# KiCad board GNSS_breakout_L86-M33.kicad_pcb (continued)
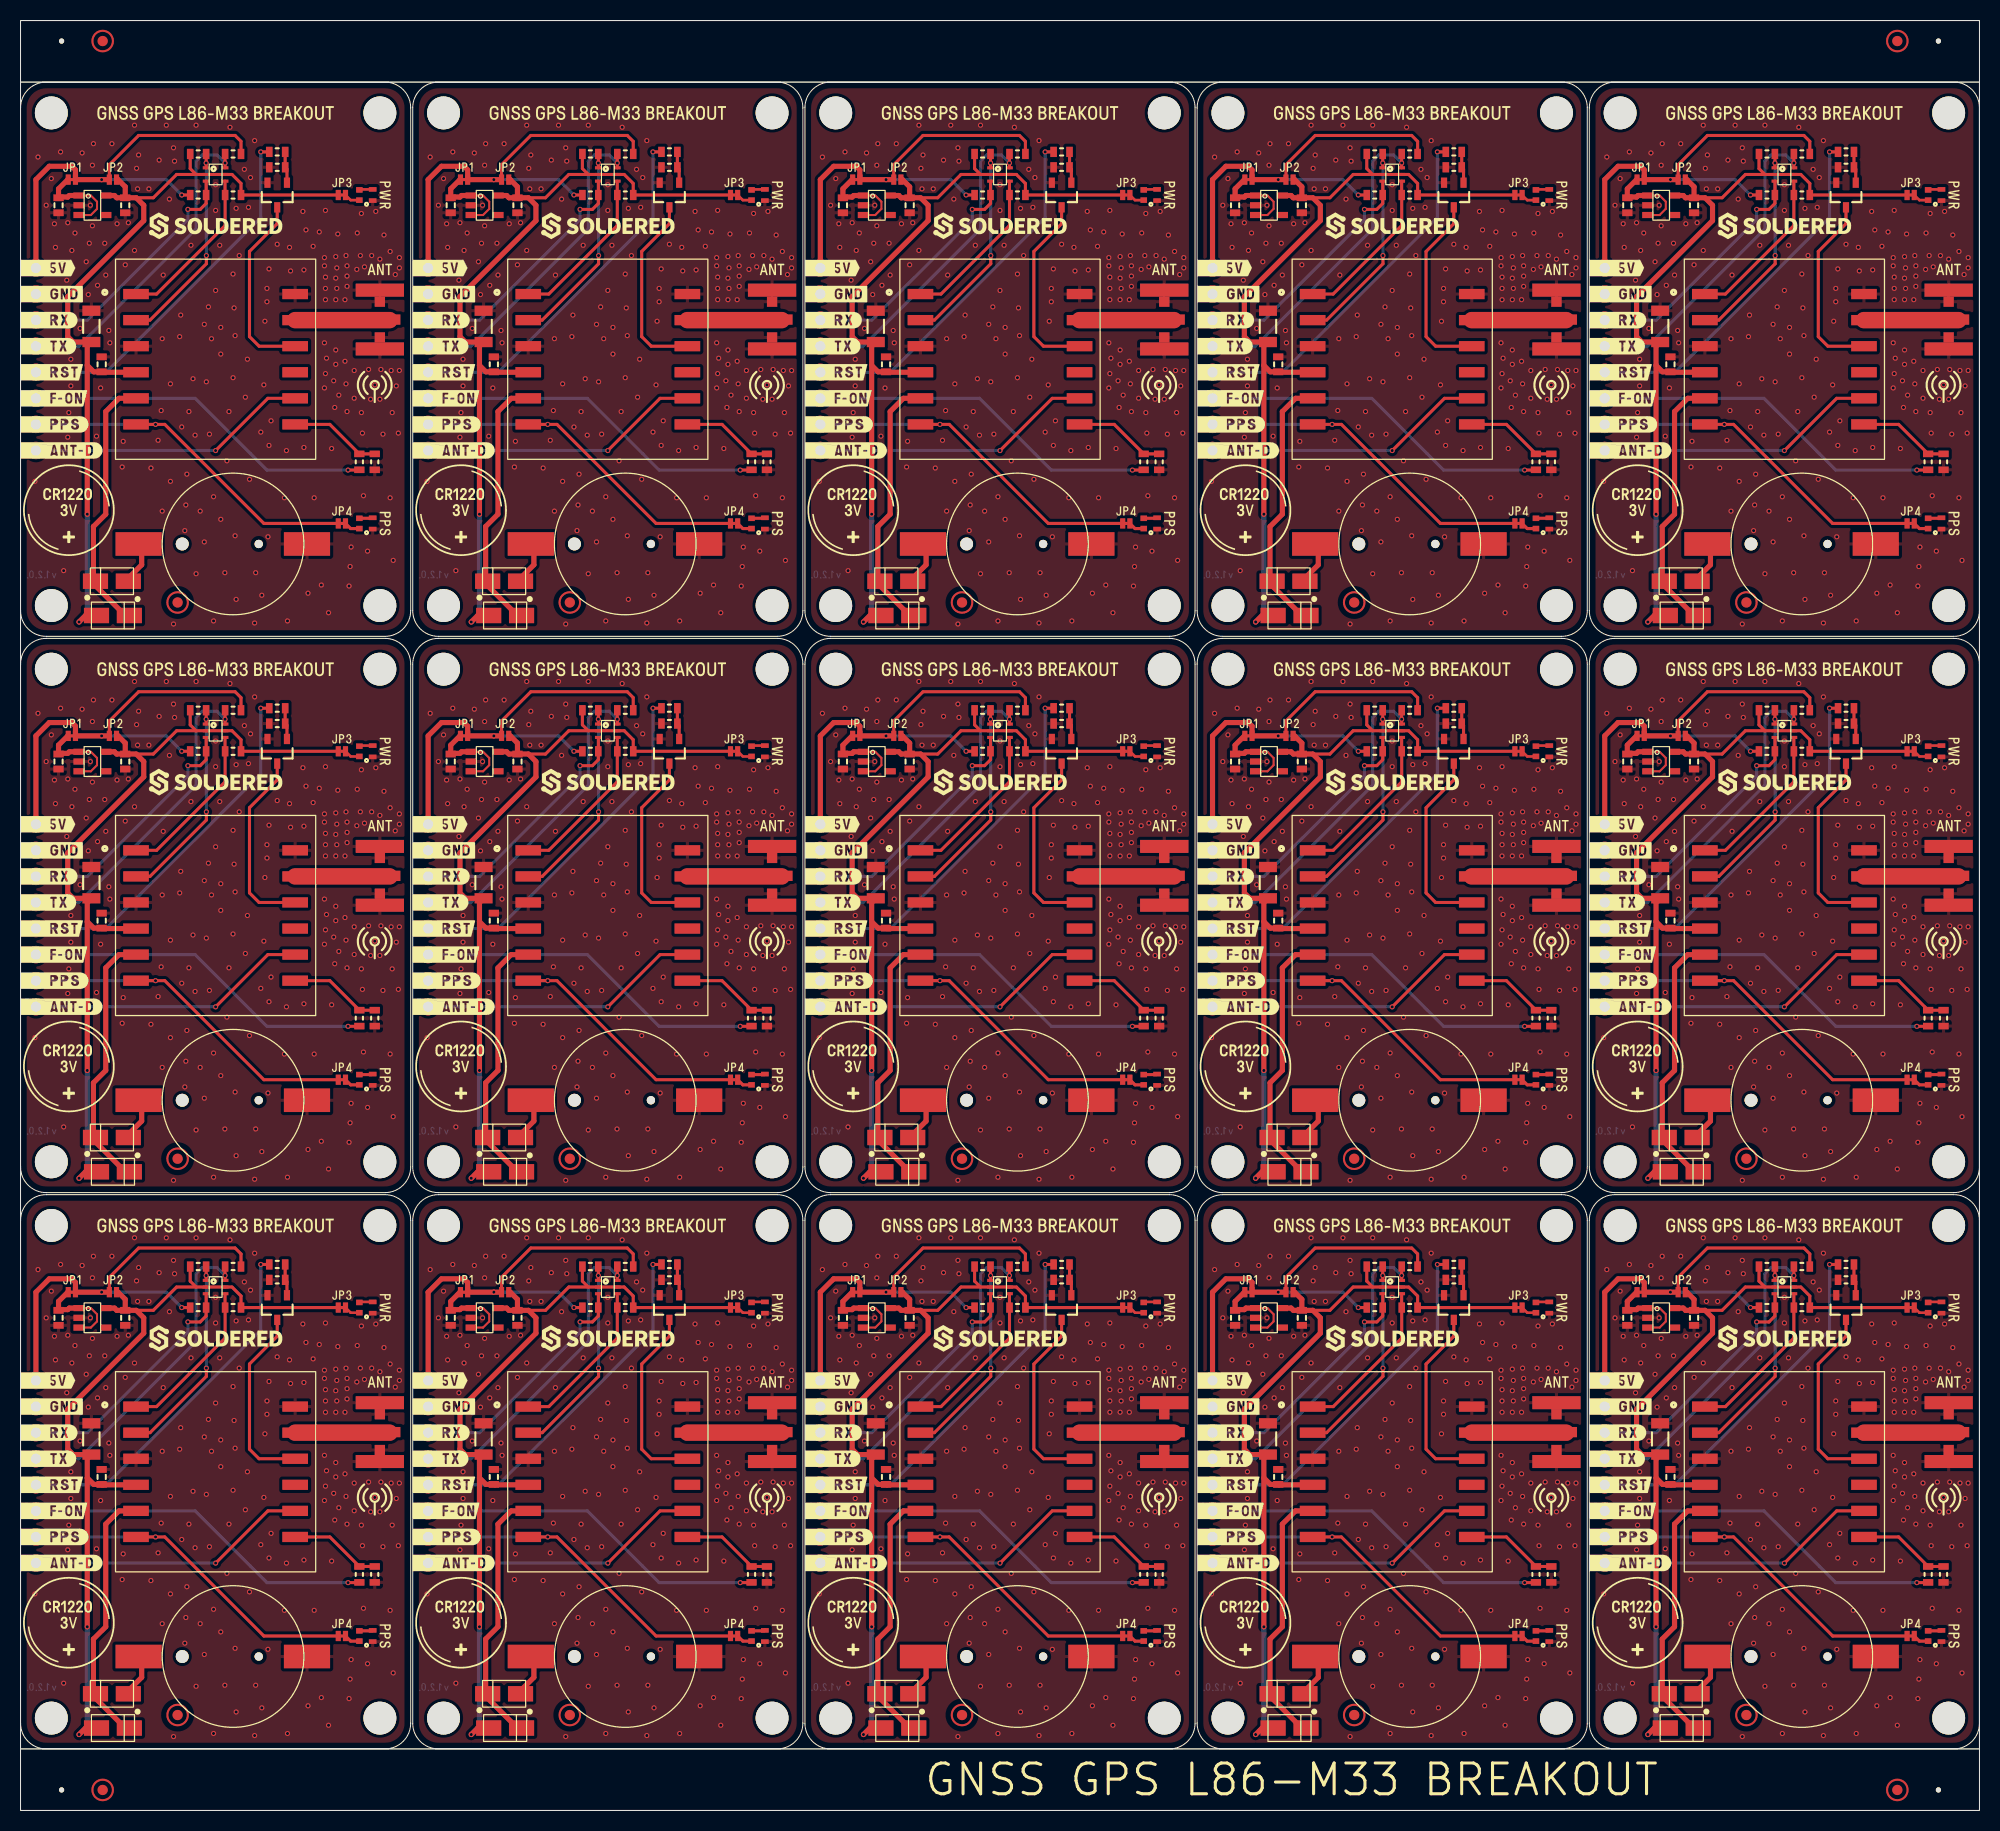
[diagram p0: board, top side]
## Placement (name value [footprint] x y rotation side) (continued)
K3#15  -  [HEADER_MALE_8X1]  116.1 141.4 90 top
kibuzzard-62FB46FA  G***  [kibuzzard-62FB46FA]  187.8 150.15 0 top
kibuzzard-62FB46FA#2  G***  [kibuzzard-62FB46FA]  111.4 95.95 0 top
kibuzzard-62FB46FA#3  G***  [kibuzzard-62FB46FA]  35 150.15 0 top
kibuzzard-62FB46FA#4  G***  [kibuzzard-62FB46FA]  35 41.75 0 top
kibuzzard-62FB46FA#5  G***  [kibuzzard-62FB46FA]  149.6 41.75 0 top
kibuzzard-62FB46FA#6  G***  [kibuzzard-62FB46FA]  187.8 41.75 0 top
kibuzzard-62FB46FA#7  G***  [kibuzzard-62FB46FA]  111.4 41.75 0 top
kibuzzard-62FB46FA#8  G***  [kibuzzard-62FB46FA]  187.8 95.95 0 top
kibuzzard-62FB46FA#9  G***  [kibuzzard-62FB46FA]  149.6 150.15 0 top
kibuzzard-62FB46FA#10  G***  [kibuzzard-62FB46FA]  73.2 41.75 0 top
kibuzzard-62FB46FA#11  G***  [kibuzzard-62FB46FA]  35 95.95 0 top
kibuzzard-62FB46FA#12  G***  [kibuzzard-62FB46FA]  73.2 150.15 0 top
kibuzzard-62FB46FA#13  G***  [kibuzzard-62FB46FA]  73.2 95.95 0 top
kibuzzard-62FB46FA#14  G***  [kibuzzard-62FB46FA]  111.4 150.15 0 top
kibuzzard-62FB46FA#15  G***  [kibuzzard-62FB46FA]  149.6 95.95 0 top
kibuzzard-6391DAF4  G***  [kibuzzard-6391DAF4]  171.8 57 0 top
kibuzzard-6391DAF4#2  G***  [kibuzzard-6391DAF4]  57.2 111.2 0 top
kibuzzard-6391DAF4#3  G***  [kibuzzard-6391DAF4]  57.2 57 0 top
kibuzzard-6391DAF4#4  G***  [kibuzzard-6391DAF4]  19 165.4 0 top
kibuzzard-6391DAF4#5  G***  [kibuzzard-6391DAF4]  19 57 0 top
kibuzzard-6391DAF4#6  G***  [kibuzzard-6391DAF4]  133.6 165.4 0 top
kibuzzard-6391DAF4#7  G***  [kibuzzard-6391DAF4]  171.8 111.2 0 top
kibuzzard-6391DAF4#8  G***  [kibuzzard-6391DAF4]  19 111.2 0 top
kibuzzard-6391DAF4#9  G***  [kibuzzard-6391DAF4]  133.6 111.2 0 top
kibuzzard-6391DAF4#10  G***  [kibuzzard-6391DAF4]  171.8 165.4 0 top
kibuzzard-6391DAF4#11  G***  [kibuzzard-6391DAF4]  95.4 57 0 top
kibuzzard-6391DAF4#12  G***  [kibuzzard-6391DAF4]  95.4 165.4 0 top
kibuzzard-6391DAF4#13  G***  [kibuzzard-6391DAF4]  133.6 57 0 top
kibuzzard-6391DAF4#14  G***  [kibuzzard-6391DAF4]  57.2 165.4 0 top
kibuzzard-6391DAF4#15  G***  [kibuzzard-6391DAF4]  95.4 111.2 0 top
NOREF  -  [buzzardLabel]  73.7 71.2 270 top
NOREF#2  -  [buzzardLabel]  9 105.9 0 top
NOREF#3  -  [buzzardLabel]  76 135.05 0 top
NOREF#4  -  [buzzardLabel]  -0.4 140.13 0 top
NOREF#5  -  [buzzardLabel]  9 160.1 0 top
NOREF#6  -  [buzzardLabel]  -0.4 142.67 0 top
NOREF#7  -  [buzzardLabel]  -0.4 80.85 0 top
NOREF#8  -  [buzzardLabel]  -0.4 132.51 0 top
NOREF#9  -  [buzzardLabel]  76 39.35 0 top
NOREF#10  -  [buzzardLabel]  150.1 49 270 top
NOREF#11  -  [buzzardLabel]  114.2 36.81 0 top
NOREF#12  -  [buzzardLabel]  69.5 104.4 0 top
NOREF#13  -  [buzzardLabel]  -0.4 85.93 0 top
NOREF#14  -  [buzzardLabel]  76 147.75 0 top
NOREF#15  -  [buzzardLabel]  111.9 71.2 270 top
NOREF#16  -  [buzzardLabel]  35.5 125.4 270 top
NOREF#17  -  [buzzardLabel]  -0.4 135.05 0 top
NOREF#18  -  [buzzardLabel]  76 140.13 0 top
NOREF#19  -  [buzzardLabel]  114.2 145.21 0 top
NOREF#20  -  [buzzardLabel]  35.5 49 270 top
NOREF#21  -  [buzzardLabel]  37.8 78.31 0 top
NOREF#22  -  [buzzardLabel]  76 26.65 0 top
NOREF#23  -  [buzzardLabel]  37.8 93.55 0 top
NOREF#24  -  [buzzardLabel]  43.2 160.1 0 top
NOREF#25  -  [buzzardLabel]  188.3 125.4 270 top
NOREF#26  -  [buzzardLabel]  184.1 18.2 0 top
NOREF#27  -  [buzzardLabel]  150.1 157.4 270 top
NOREF#28  -  [buzzardLabel]  111.9 157.4 270 top
NOREF#29  -  [buzzardLabel]  35.5 71.2 270 top
NOREF#30  -  [buzzardLabel]  145.9 50.2 0 top
NOREF#31  -  [buzzardLabel]  43.2 51.7 0 top
NOREF#32  -  [buzzardLabel]  35.5 17 270 top
NOREF#33  -  [buzzardLabel]  85.4 51.7 0 top
NOREF#34  -  [buzzardLabel]  5 105.9 0 top
NOREF#35  -  [buzzardLabel]  114.2 31.73 0 top
NOREF#36  -  [buzzardLabel]  76 36.81 0 top
NOREF#37  -  [buzzardLabel]  76 80.85 0 top
NOREF#38  -  [buzzardLabel]  184.1 104.4 0 top
NOREF#39  -  [buzzardLabel]  152.4 137.59 0 top
NOREF#40  -  [buzzardLabel]  -0.4 24.11 0 top
NOREF#41  -  [buzzardLabel]  119.6 51.7 0 top
NOREF#42  -  [buzzardLabel]  37.8 91.01 0 top
NOREF#43  -  [buzzardLabel]  76 78.31 0 top
NOREF#44  -  [buzzardLabel]  114.2 39.35 0 top
NOREF#45  -  [buzzardLabel]  -0.4 78.31 0 top
NOREF#46  -  [buzzardLabel]  81.4 51.7 0 top
NOREF#47  -  [buzzardLabel]  73.7 49 270 top
NOREF#48  -  [buzzardLabel]  114.2 24.11 0 top
NOREF#49  -  [buzzardLabel]  37.8 145.21 0 top
NOREF#50  -  [buzzardLabel]  37.8 147.75 0 top
NOREF#51  -  [buzzardLabel]  -0.4 137.59 0 top
NOREF#52  -  [buzzardLabel]  152.4 142.67 0 top
NOREF#53  -  [buzzardLabel]  114.2 80.85 0 top
NOREF#54  -  [buzzardLabel]  123.6 105.9 0 top
NOREF#55  -  [buzzardLabel]  47.2 105.9 0 top
NOREF#56  -  [buzzardLabel]  161.8 51.7 0 top
NOREF#57  -  [buzzardLabel]  114.2 135.05 0 top
NOREF#58  -  [buzzardLabel]  76 91.01 0 top
NOREF#59  -  [buzzardLabel]  76 34.27 0 top
NOREF#60  -  [buzzardLabel]  152.4 80.85 0 top
NOREF#61  -  [buzzardLabel]  152.4 24.11 0 top
NOREF#62  -  [buzzardLabel]  5 51.7 0 top
NOREF#63  -  [buzzardLabel]  152.4 41.89 0 top
NOREF#64  -  [buzzardLabel]  150.1 71.2 270 top
NOREF#65  -  [buzzardLabel]  47.2 51.7 0 top
NOREF#66  -  [buzzardLabel]  114.2 96.09 0 top
NOREF#67  -  [buzzardLabel]  43.2 105.9 0 top
NOREF#68  -  [buzzardLabel]  145.9 104.4 0 top
NOREF#69  -  [buzzardLabel]  152.4 29.19 0 top
NOREF#70  -  [buzzardLabel]  152.4 140.13 0 top
NOREF#71  -  [buzzardLabel]  152.4 83.39 0 top
NOREF#72  -  [buzzardLabel]  157.8 105.9 0 top
NOREF#73  -  [buzzardLabel]  114.2 34.27 0 top
NOREF#74  -  [buzzardLabel]  150.1 103.2 270 top
NOREF#75  -  [buzzardLabel]  76 85.93 0 top
NOREF#76  -  [buzzardLabel]  69.5 50.2 0 top
NOREF#77  -  [buzzardLabel]  152.4 34.27 0 top
NOREF#78  -  [buzzardLabel]  188.3 157.4 270 top
NOREF#79  -  [buzzardLabel]  107.7 72.4 0 top
NOREF#80  -  [buzzardLabel]  114.2 88.47 0 top
NOREF#81  -  [buzzardLabel]  37.8 24.11 0 top
NOREF#82  -  [buzzardLabel]  76 31.73 0 top
NOREF#83  -  [buzzardLabel]  69.5 126.6 0 top
NOREF#84  -  [buzzardLabel]  161.8 160.1 0 top
NOREF#85  -  [buzzardLabel]  37.8 31.73 0 top
NOREF#86  -  [buzzardLabel]  37.8 142.67 0 top
NOREF#87  -  [buzzardLabel]  152.4 88.47 0 top
NOREF#88  -  [buzzardLabel]  85.4 160.1 0 top
NOREF#89  -  [buzzardLabel]  152.4 135.05 0 top
NOREF#90  -  [buzzardLabel]  76 137.59 0 top
NOREF#91  -  [buzzardLabel]  37.8 85.93 0 top
NOREF#92  -  [buzzardLabel]  161.8 105.9 0 top
NOREF#93  -  [buzzardLabel]  -0.4 31.73 0 top
NOREF#94  -  [buzzardLabel]  119.6 105.9 0 top
NOREF#95  -  [buzzardLabel]  37.8 39.35 0 top
NOREF#96  -  [buzzardLabel]  -0.4 147.75 0 top
NOREF#97  -  [buzzardLabel]  37.8 80.85 0 top
NOREF#98  -  [buzzardLabel]  114.2 147.75 0 top
NOREF#99  -  [buzzardLabel]  73.7 125.4 270 top
NOREF#100  -  [buzzardLabel]  114.2 85.93 0 top
NOREF#101  -  [buzzardLabel]  69.5 18.2 0 top
NOREF#102  -  [buzzardLabel]  35.5 103.2 270 top
NOREF#103  -  [buzzardLabel]  123.6 51.7 0 top
NOREF#104  -  [buzzardLabel]  145.9 18.2 0 top
NOREF#105  -  [buzzardLabel]  150.1 125.4 270 top
NOREF#106  -  [buzzardLabel]  -0.4 36.81 0 top
NOREF#107  -  [buzzardLabel]  37.8 34.27 0 top
NOREF#108  -  [buzzardLabel]  37.8 29.19 0 top
NOREF#109  -  [buzzardLabel]  152.4 78.31 0 top
NOREF#110  -  [buzzardLabel]  152.4 36.81 0 top
NOREF#111  -  [buzzardLabel]  76 29.19 0 top
NOREF#112  -  [buzzardLabel]  111.9 49 270 top
NOREF#113  -  [buzzardLabel]  73.7 17 270 top
NOREF#114  -  [buzzardLabel]  -0.4 34.27 0 top
NOREF#115  -  [buzzardLabel]  35.5 157.4 270 top
NOREF#116  -  [buzzardLabel]  37.8 135.05 0 top
NOREF#117  -  [buzzardLabel]  -0.4 145.21 0 top
NOREF#118  -  [buzzardLabel]  37.8 132.51 0 top
NOREF#119  -  [buzzardLabel]  76 41.89 0 top
NOREF#120  -  [buzzardLabel]  76 150.29 0 top
NOREF#121  -  [buzzardLabel]  -0.4 150.29 0 top
NOREF#122  -  [buzzardLabel]  31.3 72.4 0 top
NOREF#123  -  [buzzardLabel]  114.2 137.59 0 top
NOREF#124  -  [buzzardLabel]  150.1 17 270 top
NOREF#125  -  [buzzardLabel]  145.9 72.4 0 top
NOREF#126  -  [buzzardLabel]  -0.4 83.39 0 top
NOREF#127  -  [buzzardLabel]  76 88.47 0 top
NOREF#128  -  [buzzardLabel]  188.3 103.2 270 top
NOREF#129  -  [buzzardLabel]  107.7 126.6 0 top
NOREF#130  -  [buzzardLabel]  107.7 50.2 0 top
NOREF#131  -  [buzzardLabel]  47.2 160.1 0 top
NOREF#132  -  [buzzardLabel]  76 96.09 0 top
NOREF#133  -  [buzzardLabel]  152.4 96.09 0 top
NOREF#134  -  [buzzardLabel]  9 51.7 0 top
NOREF#135  -  [buzzardLabel]  114.2 91.01 0 top
NOREF#136  -  [buzzardLabel]  31.3 50.2 0 top
NOREF#137  -  [buzzardLabel]  114.2 93.55 0 top
NOREF#138  -  [buzzardLabel]  157.8 51.7 0 top
NOREF#139  -  [buzzardLabel]  -0.4 96.09 0 top
NOREF#140  -  [buzzardLabel]  114.2 78.31 0 top
NOREF#141  -  [buzzardLabel]  37.8 137.59 0 top
NOREF#142  -  [buzzardLabel]  -0.4 29.19 0 top
NOREF#143  -  [buzzardLabel]  31.3 104.4 0 top
NOREF#144  -  [buzzardLabel]  76 93.55 0 top
NOREF#145  -  [buzzardLabel]  73.7 103.2 270 top
NOREF#146  -  [buzzardLabel]  81.4 105.9 0 top
NOREF#147  -  [buzzardLabel]  76 24.11 0 top
NOREF#148  -  [buzzardLabel]  37.8 88.47 0 top
NOREF#149  -  [buzzardLabel]  145.9 126.6 0 top
NOREF#150  -  [buzzardLabel]  188.3 17 270 top
NOREF#151  -  [buzzardLabel]  37.8 83.39 0 top
NOREF#152  -  [buzzardLabel]  76 132.51 0 top
NOREF#153  -  [buzzardLabel]  37.8 26.65 0 top
NOREF#154  -  [buzzardLabel]  31.3 126.6 0 top
NOREF#155  -  [buzzardLabel]  119.6 160.1 0 top
NOREF#156  -  [buzzardLabel]  152.4 85.93 0 top
NOREF#157  -  [buzzardLabel]  184.1 72.4 0 top
NOREF#158  -  [buzzardLabel]  76 145.21 0 top
NOREF#159  -  [buzzardLabel]  76 83.39 0 top
NOREF#160  -  [buzzardLabel]  5 160.1 0 top
NOREF#161  -  [buzzardLabel]  -0.4 88.47 0 top
NOREF#162  -  [buzzardLabel]  111.9 17 270 top
NOREF#163  -  [buzzardLabel]  114.2 150.29 0 top
NOREF#164  -  [buzzardLabel]  69.5 158.6 0 top
NOREF#165  -  [buzzardLabel]  111.9 125.4 270 top
NOREF#166  -  [buzzardLabel]  111.9 103.2 270 top
NOREF#167  -  [buzzardLabel]  152.4 93.55 0 top
NOREF#168  -  [buzzardLabel]  -0.4 41.89 0 top
NOREF#169  -  [buzzardLabel]  114.2 26.65 0 top
NOREF#170  -  [buzzardLabel]  152.4 150.29 0 top
NOREF#171  -  [buzzardLabel]  31.3 18.2 0 top
NOREF#172  -  [buzzardLabel]  188.3 49 270 top
NOREF#173  -  [buzzardLabel]  -0.4 26.65 0 top
NOREF#174  -  [buzzardLabel]  152.4 132.51 0 top
NOREF#175  -  [buzzardLabel]  73.7 157.4 270 top
NOREF#176  -  [buzzardLabel]  152.4 26.65 0 top
NOREF#177  -  [buzzardLabel]  37.8 96.09 0 top
NOREF#178  -  [buzzardLabel]  184.1 126.6 0 top
NOREF#179  -  [buzzardLabel]  -0.4 39.35 0 top
NOREF#180  -  [buzzardLabel]  107.7 18.2 0 top
NOREF#181  -  [buzzardLabel]  152.4 31.73 0 top
NOREF#182  -  [buzzardLabel]  107.7 158.6 0 top
NOREF#183  -  [buzzardLabel]  188.3 71.2 270 top
NOREF#184  -  [buzzardLabel]  184.1 158.6 0 top
NOREF#185  -  [buzzardLabel]  37.8 140.13 0 top
NOREF#186  -  [buzzardLabel]  114.2 29.19 0 top
NOREF#187  -  [buzzardLabel]  81.4 160.1 0 top
NOREF#188  -  [buzzardLabel]  31.3 158.6 0 top
NOREF#189  -  [buzzardLabel]  85.4 105.9 0 top
NOREF#190  -  [buzzardLabel]  -0.4 93.55 0 top
NOREF#191  -  [buzzardLabel]  184.1 50.2 0 top
NOREF#192  -  [buzzardLabel]  -0.4 91.01 0 top
NOREF#193  -  [buzzardLabel]  114.2 140.13 0 top
NOREF#194  -  [buzzardLabel]  37.8 36.81 0 top
NOREF#195  -  [buzzardLabel]  157.8 160.1 0 top
NOREF#196  -  [buzzardLabel]  37.8 41.89 0 top
NOREF#197  -  [buzzardLabel]  114.2 142.67 0 top
NOREF#198  -  [buzzardLabel]  123.6 160.1 0 top
NOREF#199  -  [buzzardLabel]  152.4 145.21 0 top
NOREF#200  -  [buzzardLabel]  114.2 41.89 0 top
NOREF#201  -  [buzzardLabel]  114.2 132.51 0 top
NOREF#202  -  [buzzardLabel]  152.4 91.01 0 top
NOREF#203  -  [buzzardLabel]  76 142.67 0 top
NOREF#204  -  [buzzardLabel]  107.7 104.4 0 top
NOREF#205  -  [buzzardLabel]  114.2 83.39 0 top
NOREF#206  -  [buzzardLabel]  145.9 158.6 0 top
NOREF#207  -  [buzzardLabel]  152.4 39.35 0 top
NOREF#208  -  [buzzardLabel]  37.8 150.29 0 top
NOREF#209  -  [buzzardLabel]  69.5 72.4 0 top
NOREF#210  -  [buzzardLabel]  152.4 147.75 0 top
Q1  NPN-SOT-23-3  [SOT-23-3]  139.6 103.2 270 top
Q1#2  NPN-SOT-23-3  [SOT-23-3]  25 49 270 top
Q1#3  NPN-SOT-23-3  [SOT-23-3]  177.8 49 270 top
Q1#4  NPN-SOT-23-3  [SOT-23-3]  63.2 157.4 270 top
Q1#5  NPN-SOT-23-3  [SOT-23-3]  25 157.4 270 top
Q1#6  NPN-SOT-23-3  [SOT-23-3]  139.6 49 270 top
Q1#7  NPN-SOT-23-3  [SOT-23-3]  25 103.2 270 top
Q1#8  NPN-SOT-23-3  [SOT-23-3]  177.8 157.4 270 top
Q1#9  NPN-SOT-23-3  [SOT-23-3]  63.2 103.2 270 top
Q1#10  NPN-SOT-23-3  [SOT-23-3]  139.6 157.4 270 top
Q1#11  NPN-SOT-23-3  [SOT-23-3]  101.4 157.4 270 top
Q1#12  NPN-SOT-23-3  [SOT-23-3]  63.2 49 270 top
Q1#13  NPN-SOT-23-3  [SOT-23-3]  101.4 49 270 top
Q1#14  NPN-SOT-23-3  [SOT-23-3]  177.8 103.2 270 top
Q1#15  NPN-SOT-23-3  [SOT-23-3]  101.4 103.2 270 top
R1  5k1  [0603R]  33 77.2 90 top
R1#2  5k1  [0603R]  109.4 131.4 90 top
R1#3  5k1  [0603R]  109.4 77.2 90 top
R1#4  5k1  [0603R]  147.6 77.2 90 top
R1#5  5k1  [0603R]  185.8 131.4 90 top
R1#6  5k1  [0603R]  185.8 77.2 90 top
R1#7  5k1  [0603R]  71.2 131.4 90 top
R1#8  5k1  [0603R]  147.6 131.4 90 top
R1#9  5k1  [0603R]  71.2 23 90 top
R1#10  5k1  [0603R]  109.4 23 90 top
R1#11  5k1  [0603R]  147.6 23 90 top
R1#12  5k1  [0603R]  33 23 90 top
R1#13  5k1  [0603R]  185.8 23 90 top
R1#14  5k1  [0603R]  33 131.4 90 top
R1#15  5k1  [0603R]  71.2 77.2 90 top
R2  4k7  [0603R]  63.2 53.2 0 top
R2#2  4k7  [0603R]  177.8 53.2 0 top
R2#3  4k7  [0603R]  139.6 53.2 0 top
R2#4  4k7  [0603R]  101.4 53.2 0 top
R2#5  4k7  [0603R]  63.2 107.4 0 top
R2#6  4k7  [0603R]  63.2 161.6 0 top
R2#7  4k7  [0603R]  177.8 107.4 0 top
R2#8  4k7  [0603R]  25 107.4 0 top
R2#9  4k7  [0603R]  25 161.6 0 top
R2#10  4k7  [0603R]  177.8 161.6 0 top
R2#11  4k7  [0603R]  139.6 107.4 0 top
R2#12  4k7  [0603R]  25 53.2 0 top
R2#13  4k7  [0603R]  139.6 161.6 0 top
R2#14  4k7  [0603R]  101.4 107.4 0 top
R2#15  4k7  [0603R]  101.4 161.6 0 top
R3  10k  [0603R]  170.1 161.4 0 top
R3#2  10k  [0603R]  93.7 53 0 top
R3#3  10k  [0603R]  131.9 53 0 top
R3#4  10k  [0603R]  17.3 107.2 0 top
R3#5  10k  [0603R]  17.3 53 0 top
R3#6  10k  [0603R]  55.5 107.2 0 top
R3#7  10k  [0603R]  131.9 161.4 0 top
R3#8  10k  [0603R]  55.5 53 0 top
R3#9  10k  [0603R]  93.7 161.4 0 top
R3#10  10k  [0603R]  93.7 107.2 0 top
R3#11  10k  [0603R]  131.9 107.2 0 top
R3#12  10k  [0603R]  170.1 53 0 top
R3#13  10k  [0603R]  17.3 161.4 0 top
R3#14  10k  [0603R]  55.5 161.4 0 top
R3#15  10k  [0603R]  170.1 107.2 0 top
R4  10k  [0603R]  93.7 157.4 0 top
R4#2  10k  [0603R]  55.5 157.4 0 top
R4#3  10k  [0603R]  17.3 157.4 0 top
R4#4  10k  [0603R]  55.5 103.2 0 top
R4#5  10k  [0603R]  17.3 49 0 top
R4#6  10k  [0603R]  55.5 49 0 top
R4#7  10k  [0603R]  17.3 103.2 0 top
R4#8  10k  [0603R]  93.7 49 0 top
R4#9  10k  [0603R]  131.9 49 0 top
R4#10  10k  [0603R]  170.1 103.2 0 top
R4#11  10k  [0603R]  170.1 49 0 top
R4#12  10k  [0603R]  170.1 157.4 0 top
R4#13  10k  [0603R]  93.7 103.2 0 top
R4#14  10k  [0603R]  131.9 103.2 0 top
R4#15  10k  [0603R]  131.9 157.4 0 top
R5  10k  [0603R]  187.3 131.4 270 top
R5#2  10k  [0603R]  34.5 77.2 270 top
R5#3  10k  [0603R]  149.1 131.4 270 top
R5#4  10k  [0603R]  187.3 77.2 270 top
R5#5  10k  [0603R]  149.1 77.2 270 top
R5#6  10k  [0603R]  34.5 23 270 top
R5#7  10k  [0603R]  149.1 23 270 top
R5#8  10k  [0603R]  34.5 131.4 270 top
R5#9  10k  [0603R]  72.7 23 270 top
R5#10  10k  [0603R]  72.7 77.2 270 top
R5#11  10k  [0603R]  110.9 23 270 top
R5#12  10k  [0603R]  110.9 77.2 270 top
R5#13  10k  [0603R]  72.7 131.4 270 top
R5#14  10k  [0603R]  187.3 23 270 top
R5#15  10k  [0603R]  110.9 131.4 270 top
R6  47k  [0603R]  25 51.7 180 top
R6#2  47k  [0603R]  139.6 51.7 180 top
R6#3  47k  [0603R]  101.4 160.1 180 top
R6#4  47k  [0603R]  101.4 105.9 180 top
R6#5  47k  [0603R]  63.2 160.1 180 top
R6#6  47k  [0603R]  177.8 160.1 180 top
R6#7  47k  [0603R]  63.2 105.9 180 top
R6#8  47k  [0603R]  25 160.1 180 top
R6#9  47k  [0603R]  177.8 51.7 180 top
R6#10  47k  [0603R]  139.6 105.9 180 top
R6#11  47k  [0603R]  139.6 160.1 180 top
R6#12  47k  [0603R]  25 105.9 180 top
R6#13  47k  [0603R]  101.4 51.7 180 top
R6#14  47k  [0603R]  177.8 105.9 180 top
R6#15  47k  [0603R]  63.2 51.7 180 top
R7  10k  [0603R]  58.9 161.4 0 top
R7#2  10k  [0603R]  20.7 161.4 0 top
R7#3  10k  [0603R]  173.5 161.4 0 top
R7#4  10k  [0603R]  97.1 161.4 0 top
R7#5  10k  [0603R]  97.1 53 0 top
R7#6  10k  [0603R]  135.3 161.4 0 top
R7#7  10k  [0603R]  173.5 107.2 0 top
R7#8  10k  [0603R]  20.7 107.2 0 top
R7#9  10k  [0603R]  58.9 107.2 0 top
R7#10  10k  [0603R]  58.9 53 0 top
R7#11  10k  [0603R]  135.3 53 0 top
R7#12  10k  [0603R]  97.1 107.2 0 top
R7#13  10k  [0603R]  173.5 53 0 top
R7#14  10k  [0603R]  20.7 53 0 top
R7#15  10k  [0603R]  135.3 107.2 0 top
R8  10k  [0603R]  173.5 49 0 top
R8#2  10k  [0603R]  20.7 103.2 0 top
R8#3  10k  [0603R]  58.9 49 0 top
R8#4  10k  [0603R]  135.3 103.2 0 top
R8#5  10k  [0603R]  58.9 157.4 0 top
R8#6  10k  [0603R]  173.5 157.4 0 top
R8#7  10k  [0603R]  97.1 49 0 top
R8#8  10k  [0603R]  20.7 157.4 0 top
R8#9  10k  [0603R]  58.9 103.2 0 top
R8#10  10k  [0603R]  97.1 157.4 0 top
R8#11  10k  [0603R]  20.7 49 0 top
R8#12  10k  [0603R]  173.5 103.2 0 top
R8#13  10k  [0603R]  97.1 103.2 0 top
R8#14  10k  [0603R]  135.3 49 0 top
R8#15  10k  [0603R]  135.3 157.4 0 top
R9  2k2  [0402R]  109.4 103.2 90 top
R9#2  2k2  [0402R]  109.4 157.4 90 top
R9#3  2k2  [0402R]  185.8 103.2 90 top
R9#4  2k2  [0402R]  109.4 49 90 top
R9#5  2k2  [0402R]  71.2 157.4 90 top
R9#6  2k2  [0402R]  33 49 90 top
R9#7  2k2  [0402R]  147.6 49 90 top
R9#8  2k2  [0402R]  33 157.4 90 top
R9#9  2k2  [0402R]  33 103.2 90 top
R9#10  2k2  [0402R]  147.6 103.2 90 top
R9#11  2k2  [0402R]  147.6 157.4 90 top
R9#12  2k2  [0402R]  71.2 103.2 90 top
R9#13  2k2  [0402R]  71.2 49 90 top
R9#14  2k2  [0402R]  185.8 157.4 90 top
R9#15  2k2  [0402R]  185.8 49 90 top
R10  2k2  [0402R]  33 17 90 top
R10#2  2k2  [0402R]  109.4 17 90 top
R10#3  2k2  [0402R]  71.2 71.2 90 top
R10#4  2k2  [0402R]  109.4 125.4 90 top
R10#5  2k2  [0402R]  109.4 71.2 90 top
R10#6  2k2  [0402R]  71.2 17 90 top
R10#7  2k2  [0402R]  185.8 125.4 90 top
R10#8  2k2  [0402R]  147.6 125.4 90 top
R10#9  2k2  [0402R]  33 125.4 90 top
R10#10  2k2  [0402R]  33 71.2 90 top
R10#11  2k2  [0402R]  185.8 17 90 top
R10#12  2k2  [0402R]  185.8 71.2 90 top
R10#13  2k2  [0402R]  71.2 125.4 90 top
R10#14  2k2  [0402R]  147.6 71.2 90 top
R10#15  2k2  [0402R]  147.6 17 90 top
REF**  -  [Symbol-Front-CR1220]  119.3 72.5 0 top
REF**#2  -  [Logo-Front-SolderedFULL-13mm]  171.8 100.2 0 top
REF**#3  -  [Logo-Front-SolderedFULL-13mm]  133.6 46 0 top
REF**#4  -  [Logo-Back-CE-3.5mm]  59.2 116.9 0 top
REF**#5  -  [Logo-Front-SolderedFULL-13mm]  57.2 154.4 0 top
REF**#6  -  [HOLE_1mm]  186.8 2 0 top
REF**#7  -  [Logo-Back-CE-3.5mm]  135.6 62.7 0 top
REF**#8  -  [HOLE_1mm]  186.8 172.4 0 top
REF**#9  -  [Logo-Back-CE-3.5mm]  173.8 8.5 0 top
REF**#10  -  [Symbol-Front-CR1220]  42.9 72.5 0 top
REF**#11  -  [Logo-Back-UKCA-3.5mm]  101.9 116.9 0 top
REF**#12  Logo-Front-SolderedFULL-20mm  [Logo-Back-SolderedFULL-20mm]  171.8 87.2 0 top
REF**#13  -  [Logo-Back-UKCA-3.5mm]  101.9 8.5 0 top
REF**#14  -  [Symbol-Front-CR1220]  81.1 126.7 0 top
REF**#15  -  [Logo-Back-UKCA-3.5mm]  63.7 8.5 0 top
REF**#16  -  [Logo-Back-UKCA-3.5mm]  25.5 8.5 0 top
REF**#17  -  [Symbol-Front-CR1220]  119.3 126.7 0 top
REF**#18  Logo-Front-SolderedFULL-20mm  [Logo-Back-SolderedFULL-20mm]  171.8 33 0 top
REF**#19  -  [Logo-Back-CE-3.5mm]  97.4 62.7 0 top
REF**#20  -  [Logo-Back-CE-3.5mm]  173.8 116.9 0 top
REF**#21  Logo-Front-SolderedFULL-20mm  [Logo-Back-SolderedFULL-20mm]  133.6 141.4 0 top
REF**#22  -  [Logo-Back-UKCA-3.5mm]  101.9 62.7 0 top
REF**#23  -  [Logo-Back-CE-3.5mm]  21 8.5 0 top
REF**#24  -  [Logo-Front-SolderedFULL-13mm]  19 100.2 0 top
REF**#25  -  [Symbol-Front-CR1220]  4.7 18.3 0 top
REF**#26  -  [Symbol-Front-CR1220]  42.9 126.7 0 top
REF**#27  -  [Logo-Back-UKCA-3.5mm]  178.3 8.5 0 top
REF**#28  -  [Symbol-Front-CR1220]  4.7 126.7 0 top
REF**#29  -  [Logo-Back-UKCA-3.5mm]  178.3 116.9 0 top
REF**#30  Logo-Front-SolderedFULL-20mm  [Logo-Back-SolderedFULL-20mm]  57.2 87.2 0 top
REF**#31  -  [Symbol-Front-CR1220]  157.5 18.3 0 top
REF**#32  Logo-Front-SolderedFULL-20mm  [Logo-Back-SolderedFULL-20mm]  95.4 33 0 top
REF**#33  Logo-Front-SolderedFULL-20mm  [Logo-Back-SolderedFULL-20mm]  19 87.2 0 top
REF**#34  Logo-Front-SolderedFULL-20mm  [Logo-Back-SolderedFULL-20mm]  95.4 87.2 0 top
REF**#35  -  [Symbol-Front-CR1220]  81.1 18.3 0 top
REF**#36  -  [Logo-Back-CE-3.5mm]  135.6 116.9 0 top
REF**#37  -  [Logo-Front-SolderedFULL-13mm]  57.2 100.2 0 top
REF**#38  Logo-Front-SolderedFULL-20mm  [Logo-Back-SolderedFULL-20mm]  171.8 141.4 0 top
REF**#39  -  [Symbol-Front-CR1220]  42.9 18.3 0 top
REF**#40  -  [HOLE_1mm]  4 172.4 0 top
REF**#41  -  [Logo-Front-SolderedFULL-13mm]  171.8 154.4 0 top
REF**#42  -  [Logo-Back-UKCA-3.5mm]  25.5 62.7 0 top
REF**#43  -  [Logo-Back-UKCA-3.5mm]  63.7 62.7 0 top
REF**#44  Logo-Front-SolderedFULL-20mm  [Logo-Back-SolderedFULL-20mm]  133.6 33 0 top
REF**#45  -  [Logo-Front-SolderedFULL-13mm]  19 46 0 top
REF**#46  -  [Logo-Back-UKCA-3.5mm]  25.5 116.9 0 top
REF**#47  -  [Logo-Back-UKCA-3.5mm]  140.1 116.9 0 top
REF**#48  -  [Logo-Back-CE-3.5mm]  173.8 62.7 0 top
REF**#49  -  [Logo-Back-UKCA-3.5mm]  63.7 116.9 0 top
REF**#50  -  [Logo-Front-SolderedFULL-13mm]  133.6 154.4 0 top
REF**#51  -  [Logo-Back-CE-3.5mm]  59.2 8.5 0 top
REF**#52  -  [Logo-Front-SolderedFULL-13mm]  95.4 154.4 0 top
REF**#53  -  [Logo-Back-CE-3.5mm]  21 62.7 0 top
REF**#54  -  [Logo-Front-SolderedFULL-13mm]  171.8 46 0 top
REF**#55  Logo-Front-SolderedFULL-20mm  [Logo-Back-SolderedFULL-20mm]  95.4 141.4 0 top
REF**#56  -  [Logo-Back-UKCA-3.5mm]  178.3 62.7 0 top
REF**#57  -  [Symbol-Front-CR1220]  157.5 126.7 0 top
REF**#58  -  [Logo-Back-CE-3.5mm]  21 116.9 0 top
REF**#59  Logo-Front-SolderedFULL-20mm  [Logo-Back-SolderedFULL-20mm]  57.2 33 0 top
REF**#60  -  [Logo-Front-SolderedFULL-13mm]  133.6 100.2 0 top
REF**#61  Logo-Front-SolderedFULL-20mm  [Logo-Back-SolderedFULL-20mm]  133.6 87.2 0 top
REF**#62  -  [Symbol-Front-CR1220]  157.5 72.5 0 top
REF**#63  -  [Logo-Back-UKCA-3.5mm]  140.1 8.5 0 top
REF**#64  -  [Logo-Back-UKCA-3.5mm]  140.1 62.7 0 top
REF**#65  -  [Logo-Back-CE-3.5mm]  97.4 116.9 0 top
REF**#66  Logo-Front-SolderedFULL-20mm  [Logo-Back-SolderedFULL-20mm]  19 141.4 0 top
REF**#67  -  [Logo-Front-SolderedFULL-13mm]  95.4 46 0 top
REF**#68  -  [Logo-Front-SolderedFULL-13mm]  95.4 100.2 0 top
REF**#69  -  [Logo-Back-CE-3.5mm]  59.2 62.7 0 top
REF**#70  Logo-Front-SolderedFULL-20mm  [Logo-Back-SolderedFULL-20mm]  57.2 141.4 0 top
REF**#71  -  [Symbol-Front-CR1220]  81.1 72.5 0 top
REF**#72  -  [Logo-Front-SolderedFULL-13mm]  19 154.4 0 top
REF**#73  -  [Logo-Back-CE-3.5mm]  135.6 8.5 0 top
REF**#74  -  [Logo-Back-CE-3.5mm]  97.4 8.5 0 top
REF**#75  Logo-Front-SolderedFULL-20mm  [Logo-Back-SolderedFULL-20mm]  19 33 0 top
REF**#76  -  [Logo-Front-SolderedFULL-13mm]  57.2 46 0 top
REF**#77  -  [Symbol-Front-CR1220]  119.3 18.3 0 top
REF**#78  -  [Symbol-Front-CR1220]  4.7 72.5 0 top
REF**#79  -  [HOLE_1mm]  4 2 0 top
REF**#80  -  [Version1.2.0]  40.2 12 180 bottom
REF**#81  -  [Version1.2.0]  154.8 120.4 180 bottom
REF**#82  -  [Version1.2.0]  40.2 66.2 180 bottom
REF**#83  -  [Version1.2.0]  78.4 12 180 bottom
REF**#84  -  [Version1.2.0]  116.6 120.4 180 bottom
REF**#85  -  [Version1.2.0]  154.8 12 180 bottom
REF**#86  -  [Version1.2.0]  2 120.4 180 bottom
REF**#87  -  [Version1.2.0]  116.6 66.2 180 bottom
REF**#88  -  [Version1.2.0]  40.2 120.4 180 bottom
REF**#89  -  [Version1.2.0]  2 12 180 bottom
REF**#90  -  [Version1.2.0]  154.8 66.2 180 bottom
REF**#91  -  [Version1.2.0]  78.4 66.2 180 bottom
REF**#92  -  [Version1.2.0]  78.4 120.4 180 bottom
REF**#93  -  [Version1.2.0]  116.6 12 180 bottom
REF**#94  -  [Version1.2.0]  2 66.2 180 bottom
U1  NMOS-DUAL  [SOT-363]  171.8 105.2 0 top
U1#2  NMOS-DUAL  [SOT-363]  95.4 51 0 top
U1#3  NMOS-DUAL  [SOT-363]  133.6 51 0 top
U1#4  NMOS-DUAL  [SOT-363]  19 159.4 0 top
U1#5  NMOS-DUAL  [SOT-363]  133.6 105.2 0 top
U1#6  NMOS-DUAL  [SOT-363]  57.2 51 0 top
U1#7  NMOS-DUAL  [SOT-363]  171.8 159.4 0 top
U1#8  NMOS-DUAL  [SOT-363]  19 51 0 top
U1#9  NMOS-DUAL  [SOT-363]  57.2 105.2 0 top
U1#10  NMOS-DUAL  [SOT-363]  95.4 159.4 0 top
U1#11  NMOS-DUAL  [SOT-363]  133.6 159.4 0 top
U1#12  NMOS-DUAL  [SOT-363]  95.4 105.2 0 top
U1#13  NMOS-DUAL  [SOT-363]  19 105.2 0 top
U1#14  NMOS-DUAL  [SOT-363]  57.2 159.4 0 top
U1#15  NMOS-DUAL  [SOT-363]  171.8 51 0 top
U2  -  [L86-M33]  19 87.2 180 top
U2#2  -  [L86-M33]  95.4 87.2 180 top
U2#3  -  [L86-M33]  19 141.4 180 top
U2#4  -  [L86-M33]  171.8 87.2 180 top
U2#5  -  [L86-M33]  133.6 87.2 180 top
U2#6  -  [L86-M33]  133.6 33 180 top
U2#7  -  [L86-M33]  133.6 141.4 180 top
U2#8  -  [L86-M33]  171.8 33 180 top
U2#9  -  [L86-M33]  171.8 141.4 180 top
U2#10  -  [L86-M33]  57.2 141.4 180 top
U2#11  -  [L86-M33]  19 33 180 top
U2#12  -  [L86-M33]  57.2 87.2 180 top
U2#13  -  [L86-M33]  95.4 141.4 180 top
U2#14  -  [L86-M33]  57.2 33 180 top
U2#15  -  [L86-M33]  95.4 33 180 top
U3  SE5218  [SOT-23-5]  45.2 102.2 0 top
U3#2  SE5218  [SOT-23-5]  83.4 156.4 0 top
U3#3  SE5218  [SOT-23-5]  45.2 48 0 top
U3#4  SE5218  [SOT-23-5]  7 48 0 top
U3#5  SE5218  [SOT-23-5]  83.4 48 0 top
U3#6  SE5218  [SOT-23-5]  159.8 48 0 top
U3#7  SE5218  [SOT-23-5]  7 102.2 0 top
U3#8  SE5218  [SOT-23-5]  159.8 156.4 0 top
U3#9  SE5218  [SOT-23-5]  7 156.4 0 top
U3#10  SE5218  [SOT-23-5]  83.4 102.2 0 top
U3#11  SE5218  [SOT-23-5]  159.8 102.2 0 top
U3#12  SE5218  [SOT-23-5]  121.6 102.2 0 top
U3#13  SE5218  [SOT-23-5]  121.6 48 0 top
U3#14  SE5218  [SOT-23-5]  121.6 156.4 0 top
U3#15  SE5218  [SOT-23-5]  45.2 156.4 0 top

## Footprints (pads in the part's own frame, mm; a bottom-side part is the same pattern mirrored in y, then rotated)
0402LED
  rect 0.45x0.75 smd: 1(-0.55,0) 2(0.55,0)
0402R
  rect 0.54x0.64 smd: 1(-0.5,0) 2(0.5,0)
0603C
  rect 0.66x1 smd: 1(-0.73,0) 2(0.73,0)
0603R
  rect 0.64x1 smd: 1(-0.775,0) 2(0.775,0)
1206C
  rect 1x1.75 smd: 1(-1.525,0) 2(1.525,0)
Antenna Connector
  rect 1x2 smd: 1(2.865,-1)
  rect 1.27x4.7 smd: 2(0,0) 2(5.73,0)
  rect 1.27x4.7 smd far side: 2(0,0) 2(5.73,0)
  rect 1x1 smd: 2(1.12,0) 2(4.61,0)
  rect 1x1 smd far side: 2(1.12,0) 2(4.61,0)
CR1220_HOLDER
  round 0.8 hole 1: (0,3.5)
  round 1.25 hole 1.25: (0,-3.95)
  rect 2.3x4.5 smd: 1+(0,-8.2) 2-(0,8.2)
FIDUCIAL_23
  round 1 smd: 1(0,0)
HEADER_MALE_8X1
  round 1.7 hole 1: 1(-8.89,0) 2(-6.35,0) 3(-3.81,0) 4(-1.27,0) 5(1.27,0) 6(3.81,0) 7(6.35,0) 8(8.89,0)
HOLE_1mm
  round 0.5 hole 1 unplated: (0,0)
HOLE_3.2mm
  round 3.2 hole 3.2 unplated: (0,0)
L86-M33
  rect 2.5x1 smd: 1(7.75,-6.35) 2(7.75,-3.81) 3(7.75,-1.27) 4(7.75,1.27) 5(7.75,3.81) 6(7.75,6.35) 7(-7.75,6.35) 8(-7.75,3.81) 9(-7.75,1.27) 10(-7.75,-1.27) 11(-7.75,-3.81) 12(-7.75,-6.35)
M4_DIODA
  rect 2.45x1.5 smd: 1(-1.6,0) 2(1.6,0)
SMD-JUMPER-CONNECTED_TRACE_SLODERMASK
  rect 0.5x1 smd: 1(-0.35,0) 2(0.35,0)
SMD_JUMPER
  rect 0.5x1 smd: 1(-0.35,0) 2(0.35,0)
SOT-23-3
  rect 1x0.6 smd: 1(-1.2,0.95) 2(-1.2,-0.95) 3(1.2,0)
SOT-23-5
  rect 1.1x0.6 smd: 1(-1.3,0.95) 2(-1.3,0) 3(-1.3,-0.95) 4(1.3,-0.95) 5(1.3,0.95)
SOT-363
  rect 0.66x0.3 smd: 1(-0.92,0.65) 2(-0.92,0) 3(-0.92,-0.65) 4(0.92,-0.65) 5(0.92,0) 6(0.92,0.65)

## Nets
3V3: C1.2 C1#2.2 C1#3.2 C1#4.2 C1#5.2 C1#6.2 C1#7.2 C1#8.2 C1#9.2 C1#10.2 C1#11.2 C1#12.2 C1#13.2 C1#14.2 C1#15.2 C2.2 C2#2.2 C2#3.2 C2#4.2 C2#5.2 C2#6.2 C2#7.2 C2#8.2 C2#9.2 C2#10.2 C2#11.2 C2#12.2 C2#13.2 C2#14.2 C2#15.2 C4.2 C4#2.2 C4#3.2 C4#4.2 C4#5.2 C4#6.2 C4#7.2 C4#8.2 C4#9.2 C4#10.2 C4#11.2 C4#12.2 C4#13.2 C4#14.2 C4#15.2 D1.1 D1#2.1 D1#3.1 D1#4.1 D1#5.1 D1#6.1 D1#7.1 D1#8.1 D1#9.1 D1#10.1 D1#11.1 D1#12.1 D1#13.1 D1#14.1 D1#15.1 JP2.2 JP2#2.2 JP2#3.2 JP2#4.2 JP2#5.2 JP2#6.2 JP2#7.2 JP2#8.2 JP2#9.2 JP2#10.2 JP2#11.2 JP2#12.2 JP2#13.2 JP2#14.2 JP2#15.2 JP3.1 JP3#2.1 JP3#3.1 JP3#4.1 JP3#5.1 JP3#6.1 JP3#7.1 JP3#8.1 JP3#9.1 JP3#10.1 JP3#11.1 JP3#12.1 JP3#13.1 JP3#14.1 JP3#15.1 R3.1 R3#2.1 R3#3.1 R3#4.1 R3#5.1 R3#6.1 R3#7.1 R3#8.1 R3#9.1 R3#10.1 R3#11.1 R3#12.1 R3#13.1 R3#14.1 R3#15.1 R8.2 R8#2.2 R8#3.2 R8#4.2 R8#5.2 R8#6.2 R8#7.2 R8#8.2 R8#9.2 R8#10.2 R8#11.2 R8#12.2 R8#13.2 R8#14.2 R8#15.2 U1.2 U1.5 U1#2.2 U1#2.5 U1#3.2 U1#3.5 U1#4.2 U1#4.5 U1#5.2 U1#5.5 U1#6.2 U1#6.5 U1#7.2 U1#7.5 U1#8.2 U1#8.5 U1#9.2 U1#9.5 U1#10.2 U1#10.5 U1#11.2 U1#11.5 U1#12.2 U1#12.5 U1#13.2 U1#13.5 U1#14.2 U1#14.5 U1#15.2 U1#15.5 U2.4 U2#2.4 U2#3.4 U2#4.4 U2#5.4 U2#6.4 U2#7.4 U2#8.4 U2#9.4 U2#10.4 U2#11.4 U2#12.4 U2#13.4 U2#14.4 U2#15.4 U3.5 U3#2.5 U3#3.5 U3#4.5 U3#5.5 U3#6.5 U3#7.5 U3#8.5 U3#9.5 U3#10.5 U3#11.5 U3#12.5 U3#13.5 U3#14.5 U3#15.5
5V: JP1.2 JP1#2.2 JP1#3.2 JP1#4.2 JP1#5.2 JP1#6.2 JP1#7.2 JP1#8.2 JP1#9.2 JP1#10.2 JP1#11.2 JP1#12.2 JP1#13.2 JP1#14.2 JP1#15.2 JP2.1 JP2#2.1 JP2#3.1 JP2#4.1 JP2#5.1 JP2#6.1 JP2#7.1 JP2#8.1 JP2#9.1 JP2#10.1 JP2#11.1 JP2#12.1 JP2#13.1 JP2#14.1 JP2#15.1 K3.8 K3#2.8 K3#3.8 K3#4.8 K3#5.8 K3#6.8 K3#7.8 K3#8.8 K3#9.8 K3#10.8 K3#11.8 K3#12.8 K3#13.8 K3#14.8 K3#15.8 R4.1 R4#2.1 R4#3.1 R4#4.1 R4#5.1 R4#6.1 R4#7.1 R4#8.1 R4#9.1 R4#10.1 R4#11.1 R4#12.1 R4#13.1 R4#14.1 R4#15.1 R7.2 R7#2.2 R7#3.2 R7#4.2 R7#5.2 R7#6.2 R7#7.2 R7#8.2 R7#9.2 R7#10.2 R7#11.2 R7#12.2 R7#13.2 R7#14.2 R7#15.2
GND: C1.1 C1#2.1 C1#3.1 C1#4.1 C1#5.1 C1#6.1 C1#7.1 C1#8.1 C1#9.1 C1#10.1 C1#11.1 C1#12.1 C1#13.1 C1#14.1 C1#15.1 C2.1 C2#2.1 C2#3.1 C2#4.1 C2#5.1 C2#6.1 C2#7.1 C2#8.1 C2#9.1 C2#10.1 C2#11.1 C2#12.1 C2#13.1 C2#14.1 C2#15.1 C3.1 C3#2.1 C3#3.1 C3#4.1 C3#5.1 C3#6.1 C3#7.1 C3#8.1 C3#9.1 C3#10.1 C3#11.1 C3#12.1 C3#13.1 C3#14.1 C3#15.1 C4.1 C4#2.1 C4#3.1 C4#4.1 C4#5.1 C4#6.1 C4#7.1 C4#8.1 C4#9.1 C4#10.1 C4#11.1 C4#12.1 C4#13.1 C4#14.1 C4#15.1 D3.2 D3#2.2 D3#3.2 D3#4.2 D3#5.2 D3#6.2 D3#7.2 D3#8.2 D3#9.2 D3#10.2 D3#11.2 D3#12.2 D3#13.2 D3#14.2 D3#15.2 D4.2 D4#2.2 D4#3.2 D4#4.2 D4#5.2 D4#6.2 D4#7.2 D4#8.2 D4#9.2 D4#10.2 D4#11.2 D4#12.2 D4#13.2 D4#14.2 D4#15.2 K1.2 K1#2.2 K1#3.2 K1#4.2 K1#5.2 K1#6.2 K1#7.2 K1#8.2 K1#9.2 K1#10.2 K1#11.2 K1#12.2 K1#13.2 K1#14.2 K1#15.2 K2.2- K2#2.2- K2#3.2- K2#4.2- K2#5.2- K2#6.2- K2#7.2- K2#8.2- K2#9.2- K2#10.2- K2#11.2- K2#12.2- K2#13.2- K2#14.2- K2#15.2- K3.7 K3#2.7 K3#3.7 K3#4.7 K3#5.7 K3#6.7 K3#7.7 K3#8.7 K3#9.7 K3#10.7 K3#11.7 K3#12.7 K3#13.7 K3#14.7 K3#15.7 Q1.2 Q1#2.2 Q1#3.2 Q1#4.2 Q1#5.2 Q1#6.2 Q1#7.2 Q1#8.2 Q1#9.2 Q1#10.2 Q1#11.2 Q1#12.2 Q1#13.2 Q1#14.2 Q1#15.2 R5.2 R5#2.2 R5#3.2 R5#4.2 R5#5.2 R5#6.2 R5#7.2 R5#8.2 R5#9.2 R5#10.2 R5#11.2 R5#12.2 R5#13.2 R5#14.2 R5#15.2 R6.2 R6#2.2 R6#3.2 R6#4.2 R6#5.2 R6#6.2 R6#7.2 R6#8.2 R6#9.2 R6#10.2 R6#11.2 R6#12.2 R6#13.2 R6#14.2 R6#15.2 U2.3 U2.12 U2#2.3 U2#2.12 U2#3.3 U2#3.12 U2#4.3 U2#4.12 U2#5.3 U2#5.12 U2#6.3 U2#6.12 U2#7.3 U2#7.12 U2#8.3 U2#8.12 U2#9.3 U2#9.12 U2#10.3 U2#10.12 U2#11.3 U2#11.12 U2#12.3 U2#12.12 U2#13.3 U2#13.12 U2#14.3 U2#14.12 U2#15.3 U2#15.12 U3.2 U3#2.2 U3#3.2 U3#4.2 U3#5.2 U3#6.2 U3#7.2 U3#8.2 U3#9.2 U3#10.2 U3#11.2 U3#12.2 U3#13.2 U3#14.2 U3#15.2
ANT: K1.1 K1#2.1 K1#3.1 K1#4.1 K1#5.1 K1#6.1 K1#7.1 K1#8.1 K1#9.1 K1#10.1 K1#11.1 K1#12.1 K1#13.1 K1#14.1 K1#15.1 U2.11 U2#2.11 U2#3.11 U2#4.11 U2#5.11 U2#6.11 U2#7.11 U2#8.11 U2#9.11 U2#10.11 U2#11.11 U2#12.11 U2#13.11 U2#14.11 U2#15.11
ANT_DET: K3.1 K3#2.1 K3#3.1 K3#4.1 K3#5.1 K3#6.1 K3#7.1 K3#8.1 K3#9.1 K3#10.1 K3#11.1 K3#12.1 K3#13.1 K3#14.1 K3#15.1 U2.8 U2#2.8 U2#3.8 U2#4.8 U2#5.8 U2#6.8 U2#7.8 U2#8.8 U2#9.8 U2#10.8 U2#11.8 U2#12.8 U2#13.8 U2#14.8 U2#15.8
FORCE_ON: K3.3 K3#2.3 K3#3.3 K3#4.3 K3#5.3 K3#6.3 K3#7.3 K3#8.3 K3#9.3 K3#10.3 K3#11.3 K3#12.3 K3#13.3 K3#14.3 K3#15.3 R1.1 R1#2.1 R1#3.1 R1#4.1 R1#5.1 R1#6.1 R1#7.1 R1#8.1 R1#9.1 R1#10.1 R1#11.1 R1#12.1 R1#13.1 R1#14.1 R1#15.1
